# Allegro board A733_PRO3_AXP318_LPDDR5_FBGA315BALL_32X1_V2_0.brd (continued)
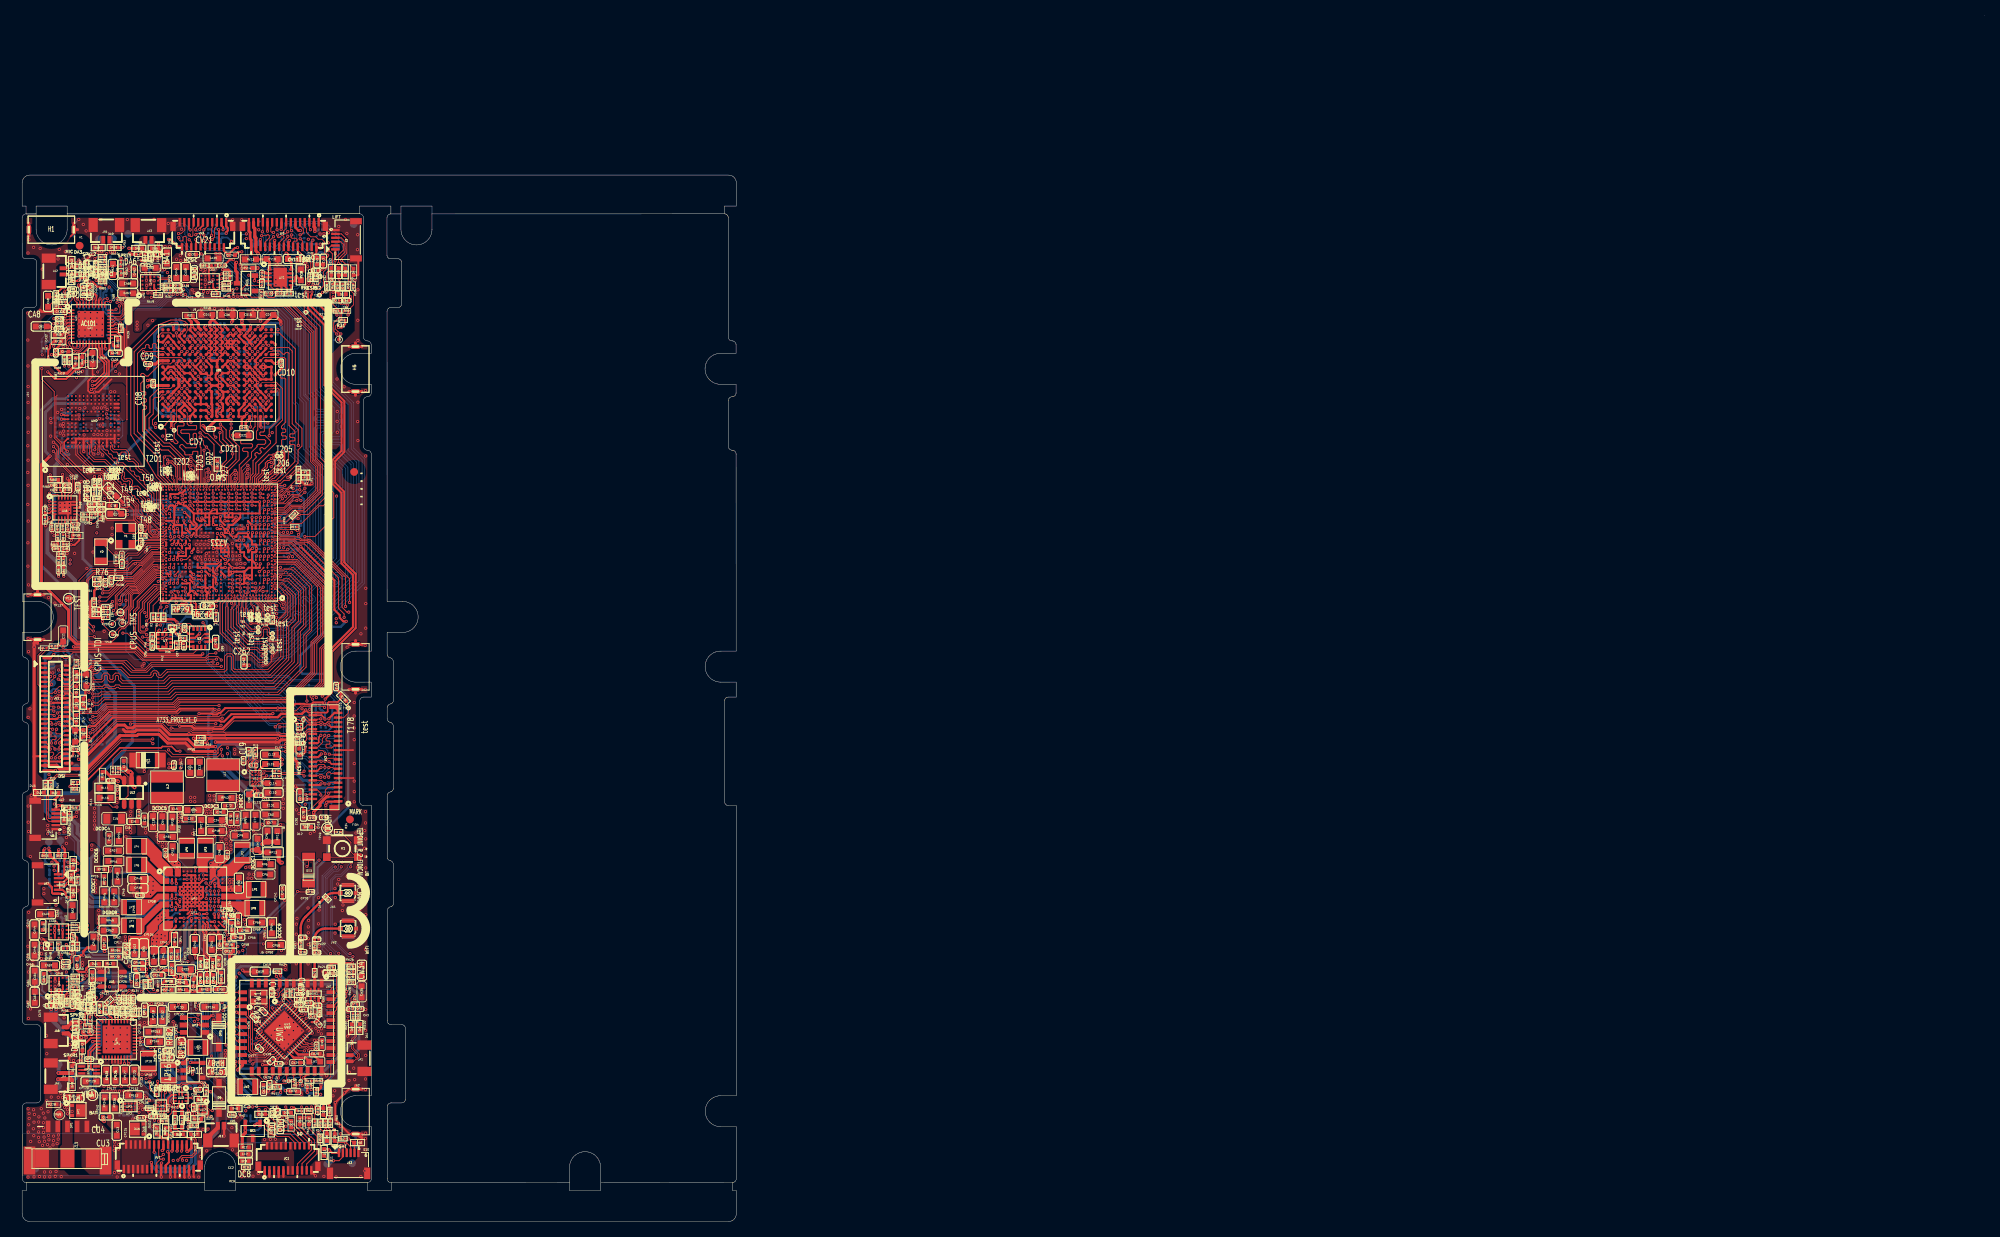
[diagram p0: board, top side]
## Routing (per net, layer and track width the routed paths; a pad name or vN(x,y) marks a point on that pad's centre or on a via; arc(x,y) is an arc through that point) (continued)
SDQ9: length 16.7
  TOP w0.089: 21.28,103.52 21.28,104.3 UD1.E2
  TOP w0.102: 22.97,97.53 U1.AU25
  TOP w0.114: 22.97,97.53 23.06,97.61 23.06,99.83 22.95,99.94 22.95,100.43 22.49,100.9 22.49,101.58 22.38,101.69 22.16,101.69 22.05,101.58 22.05,100.89 21.93,100.78 21.7,100.78 21.59,100.89 21.59,101.58 21.48,101.69 20.58,101.69 20.46,101.81 20.46,102.03 20.58,102.15 22.38,102.15 22.49,102.26 22.49,102.63 22.44,102.68 21.51,102.68 21.28,102.91 21.28,103.52
SDQ10: length 15.2
  TOP w0.089: 19.08,103.49 19.18,103.59 19.18,104.3 UD1.C2
  TOP w0.114: 19.08,103.49 18.52,102.93 18.52,102.83 18.41,102.72 17.82,102.72 17.7,102.61 17.7,102.38 17.82,102.26 18.41,102.26 18.52,102.15 v1(18.52,100.96) ; U1.1AE18 22.74,93.35 v1(22.62,93.47)
  L4 w0.114: v1(22.62,93.47) 22.25,93.84 22.25,94.17 21.1,95.31 21.1,95.58 20.24,96.44 20.24,99.29 18.57,100.96 v1(18.52,100.96)
SDQ11: length 17.8
  TOP w0.076: U1.AT25 22.97,94.46 22.74,94.7 22.74,95.08
  TOP w0.102: 22.69,98.48 22.76,98.41 22.76,95.11 22.74,95.08
  TOP w0.114: UD1.D1 20.23,103.21 20.34,103.1 20.76,103.1 20.88,102.98 20.88,102.76 20.76,102.64 20.11,102.64 20.02,102.55 20.02,101.61 21.26,100.36 22.37,100.36 22.48,100.26 22.48,99.91 22.39,99.82 21.09,99.82 20.66,100.25 20.5,100.25 20.32,100.06 20.32,99.91 20.97,99.26 20.97,99.03 21.08,98.91 21.61,98.91 21.62,98.92 21.89,98.92 21.99,99.02 21.99,99.29 22.08,99.37 22.58,99.37 22.65,99.31 22.65,98.52 22.69,98.48
SDQ12: length 22.3
  TOP w0.114: UD1.F5 21.63,107.09 v1(21.26,107.45) ; U1.1AE20 21.74,93.35 v1(21.63,93.47)
  L4 w0.114: v1(21.26,107.45) 21.26,107.48 20.71,107.81 19.88,108.11 18.41,108.11 17.89,107.59 17.45,107.59 16.75,106.89 16.75,100.88 18.16,99.47 18.55,99.47 19.37,98.65 19.37,95.48 19.92,94.94 20.42,94.94 21.29,94.06 21.29,93.8 v1(21.63,93.47)
SDQ13: length 16.7
  TOP w0.076: 21.08,95.66 21.08,95.27 21.37,94.97 U1.AT29
  TOP w0.102: 21.08,98.37 21.08,95.66
  TOP w0.114: 21.08,98.37 19.01,100.44 18.31,100.44 16.36,102.39 16.36,103.65 16.9,104.19 16.9,106.09 17.14,106.33 17.71,106.33 18.04,106.66 18.44,106.66 UD1.B5
SDQ14: length 22.1
  TOP w0.114: v1(22.63,92.43) 22.71,92.35 U1.1AC18
  TOP w0.127: UD1.E6 20.57,107.49 20.57,107.47 v1(20.57,107.46)
  L4 w0.114: v1(22.63,92.43) 22.63,92.45 22,93.07 22,94.1 20.64,95.46 20.2,95.46 19.93,95.73 19.93,99.15 18.89,100.2 18.62,100.2 17.65,101.17 17.65,103.08 17.2,103.52 17.2,106.89 17.57,107.26 18.08,107.26 18.59,107.78 19.99,107.78 20.31,107.46 v1(20.57,107.46)
SDQ15: length 18.1
  TOP w0.102: 20.88,97.76 20.88,95.01 20.97,94.91 U1.AU30
  TOP w0.114: 20.88,97.76 20.88,98.17 19.03,100.01 18.14,100.01 15.93,102.23 15.93,103.85 16.48,104.4 16.48,106.35 17.6,107.47 19.15,107.47 UD1.C6
SDQ16: length 15.9
  TOP w0.114: v1(27.63,93.47) 27.74,93.35 U1.1AE8
  TOP w0.127: v1(29.69,107.46) 29.69,107.5 UD1.U6
  L4 w0.076: v1(27.63,93.47) 28,93.84 28,95.11 28.05,95.16
  L4 w0.114: 28.05,95.16 28.17,95.28 28.17,102.24 28.45,102.52 28.45,104.68 29.3,105.54 29.3,107.08 v1(29.69,107.46)
SDQ17: length 14.3
  TOP w0.114: UD1.V1 30.03,102.57 29.78,102.32 29.78,100.95 29.66,100.82 28.3,100.82 28.17,100.69 28.17,100.45 28.28,100.35 29.6,100.35 29.71,100.23 29.71,100 29.53,99.82 28.55,99.82 28.42,99.69 28.42,99.47 28.54,99.36 29.01,99.36 29.12,99.25 29.12,98.74 27.99,97.61 27.99,95.44 27.77,95.23 U1.AU13
SDQ18: length 13.7
  TOP w0.089: 30.38,103.36 30.38,105.1 UD1.V3
  TOP w0.114: 30.38,103.36 30.38,103.14 30.38,102.82 30.38,102.13 30.2,101.95 30.2,101.02 30.35,100.87 31.26,100.87 31.4,100.73 31.4,100.44 31.23,100.27 30.41,100.27 30.28,100.14 30.28,99.96 29.58,99.26 29.58,98.58 28.23,97.23 28.23,94.85 U1.AU12
SDQ19: length 15.4
  TOP w0.114: U1.1AF8 27.75,93.85 v1(27.63,93.98)
  TOP w0.127: UD1.T5 28.95,107.37 28.95,107.42 v1(28.97,107.45)
  L4 w0.114: v1(28.97,107.45) 28.97,106.89 28.44,106.36 28.44,105.33 28.1,104.99 28.1,102.83 27.58,102.31 27.58,97.4 27.86,97.12 27.86,95.28 27.63,95.04 v1(27.63,93.98)
SDQ20: length 13.7
  TOP w0.089: UD1.W2 31.08,104.31 31.08,103.5
  TOP w0.114: 31.08,103.5 31.23,103.36 31.23,101.98 31.11,101.87 30.76,101.87 30.64,101.75 30.64,101.52 30.76,101.41 31.32,101.41 32.02,100.7 32.02,100.43 31.3,99.7 31.14,99.7 30.98,99.85 30.82,99.85 30.66,99.69 30.66,99.53 30.81,99.38 30.81,99.22 30.65,99.06 30.49,99.06 30.34,99.21 30.18,99.21 30.01,99.05 30.01,98.88 30.17,98.73 30.17,98.57 29.77,98.17 29.77,96.49 29.45,96.18 29.45,95.73 29.37,95.65 U1.AU9
SDQ21: length 14.2
  TOP w0.089: UD1.U2 29.68,104.3 29.68,103.59
  TOP w0.114: U1.1AB8 27.71,91.85 v1(27.63,91.93) ; 29.68,103.59 29.68,103.45 29.44,103.21 v1(29.44,102.52)
  L4 w0.076: v1(27.63,91.93) 27.63,91.95 28.31,92.63 28.31,94.85 28.7,95.25 28.7,95.47
  L4 w0.114: 28.7,95.47 28.7,97.87 29.03,98.19 29.03,101.62 29.44,102.04 v1(29.44,102.52)
SDQ22: length 18.3
  TOP w0.076: 32.3,108.27 30.96,108.27 30.73,108.05 UD1.W6 ; 29.68,95.34 29.62,95.28 29.62,94.64 U1.AT9
  TOP w0.114: 32.3,108.27 32.76,108.27 33.56,107.47 33.56,103.4 32.74,102.57 32.74,100.47 30.12,97.85 30.12,96.46 29.68,96.02 29.68,95.34
SDQ23: length 19.5
  TOP w0.076: UD1.Y5 31.43,107.21 31.65,107.42 32.3,107.42
  TOP w0.114: v1(31.86,101.38) 31.86,102.26 33.12,103.53 33.12,107.34 32.95,107.51 32.39,107.51 32.3,107.42 ; v1(28.64,92.44) 28.64,92.44 28.72,92.35 U1.1AC6
  L4 w0.076: 29.63,95.12 29.1,94.6 29.1,92.93 28.64,92.46 v1(28.64,92.44)
  L4 w0.114: v1(31.86,101.38) 30.96,100.49 30.96,96.2 30.64,95.89 30.39,95.89 29.63,95.12
SDQ24: length 29.3
  TOP w0.114: v1(29.63,93.48) 29.76,93.35 U1.1AE4 ; v1(30.37,113.85) 30.36,113.84 30.36,113.79 UD1.V13
  L4 w0.114: v1(30.37,113.85) 30.37,114.15 30.5,114.28 33.12,114.28 35.36,112.04 35.36,100.97 34.73,100.34 34.73,98.4 33.7,97.37 32.74,97.37 32.16,96.8 32.16,95.74 31.09,94.66 30.32,94.66 29.98,94.32 29.98,93.84 v1(29.63,93.48)
SDQ25: length 24.2
  TOP w0.114: U1.1AF4 29.76,93.85 v1(29.63,93.99)
  TOP w0.127: v1(29.69,111.45) 29.7,111.44 29.7,111.43 29.71,111.43 UD1.U10
  L4 w0.114: v1(29.63,93.99) 29.63,94.35 30.26,94.98 30.96,94.98 31.73,95.76 31.73,99.03 32.21,99.51 32.21,100.54 33.49,101.82 33.49,108.28 33.12,108.65 33.12,109.01 33.43,109.32 33.43,110.69 32.98,111.15 32.06,111.15 31.83,111.38 29.76,111.38 v1(29.69,111.45)
SDQ26: length 25.8
  TOP w0.114: v1(28.67,91.92) 28.67,91.9 28.72,91.85 U1.1AB6
  TOP w0.127: v1(28.99,111.46) 28.99,111.49 UD1.T11
  L4 w0.076: 29.36,94.45 29.3,94.38 29.3,92.61 28.67,91.99 v1(28.67,91.92)
  L4 w0.114: 29.36,94.45 30.18,95.27 30.71,95.27 31.33,95.9 31.33,99.25 31.75,99.67 31.75,100.67 33.07,101.99 33.07,107.41 32.97,107.51 32.43,107.51 31.45,108.49 31.45,110.88 31.26,111.07 29.38,111.07 v1(28.99,111.46)
SDQ27: length 30.9
  TOP w0.114: UD1.U14 v1(29.68,114.64) ; v1(29.64,92.43) 29.72,92.35 U1.1AC4
  L4 w0.114: v1(29.64,92.43) 30.21,93 30.21,94.15 30.43,94.36 31.19,94.36 35.15,98.32 35.15,100.22 35.78,100.85 35.78,112.22 33.36,114.64 v1(29.68,114.64)
SDQ28: length 25.3
  TOP w0.114: UD1.Y11 31.82,112.25 32.22,112.25 32.3,112.32 33.2,112.32 33.62,111.9 33.8,111.9 34.02,112.11 34.28,112.11 34.4,111.99 34.4,102.72 35.16,101.95 35.16,101.74 35.05,101.62 34.62,101.62 34.51,101.51 34.51,101.28 34.62,101.17 35.05,101.17 35.16,101.05 35.16,100.82 35.05,100.71 34.62,100.71 34.51,100.6 34.51,100.37 34.62,100.25 35.05,100.25 35.16,100.14 35.16,98.04 32.72,95.6 32.27,95.6 31.69,95.01 31.69,94.72 31.37,94.41 U1.AT4
SDQ29: length 24.8
  TOP w0.114: U1.AU4 31.37,94.97 32.28,95.88 32.48,95.88 34.32,97.71 34.32,99.37 33.43,100.25 33.43,100.79 33.55,100.91 33.94,100.91 34.06,101.02 34.06,101.25 33.94,101.37 33.55,101.37 33.43,101.48 33.43,101.7 33.55,101.81 33.87,101.81 33.98,101.92 33.98,102.15 33.87,102.27 33.55,102.27 33.43,102.38 33.43,102.6 33.98,103.14 33.98,108.69 33.87,108.81 33.4,108.81 33.29,108.92 33.29,109.15 33.4,109.26 33.87,109.26 33.98,109.38 33.98,111.29 33.79,111.48 31.16,111.48 UD1.W10
SDQ30: length 29.6
  TOP w0.114: UD1.V15 30.42,115.44 v1(30.42,115.47) ; v1(30.69,93.47) 30.8,93.35 U1.1AE2
  L4 w0.114: v1(30.69,93.47) 30.87,93.65 31.15,93.65 31.64,94.14 31.84,94.14 36.2,98.5 36.2,112.44 33.16,115.47 v1(30.42,115.47)
SDQ31: length 26.3
  TOP w0.114: UD1.W14 31.15,114.68 33.14,114.68 35.24,112.58 35.24,103.18 36.07,102.34 36.07,100.05 35.57,99.55 35.57,97.87 33.26,95.55 33.06,95.55 32.89,95.38 32.34,95.38 31.92,94.96 31.92,94.54 U1.AT3
SDQM0: length 24.7
  TOP w0.114: U1.AT34 19.06,94.72 19.06,95.14 19.04,95.16 18.99,95.16 18.79,95.35 18.79,95.41 17.85,96.35 17.85,98.94 14.86,101.93 14.86,111.98 15.53,112.65 15.79,112.65 15.91,112.77 15.91,113.02 16.02,113.14 16.25,113.14 16.37,113.02 16.37,112.77 16.48,112.65 16.71,112.65 16.82,112.77 16.82,113.17 16.93,113.29 17.16,113.29 17.28,113.17 17.28,112.77 17.4,112.65 UD1.A12
SDQM1: length 15.8
  TOP w0.114: UD1.A4 17.53,105.65 17.53,104.12 16.81,103.4 16.81,102.85 v1(17.21,102.46) ; v1(21.63,93.99) 21.76,93.85 U1.1AF20
  L4 w0.114: v1(21.63,93.99) 21.63,94.1 20.53,95.2 20.07,95.2 19.67,95.6 19.67,98.86 18.6,99.92 18.3,99.92 17.21,101.02 v1(17.21,102.46)
SDQM2: length 17.4
  TOP w0.114: UD1.AA4 31.8,106.58 31.8,106.63 v1(31.79,106.65) ; v1(27.62,92.45) 27.72,92.35 U1.1AC8
  L4 w0.076: v1(27.62,92.45) 27.62,92.45 28.15,92.98 28.15,94.92 28.44,95.2 28.44,95.48
  L4 w0.114: 28.44,95.48 28.44,98.33 28.59,98.48 28.59,101.78 29.02,102.2 29.02,102.71 29.44,103.14 29.44,104.16 30.4,105.12 30.4,106.02 30.66,106.28 31.42,106.28 v1(31.79,106.65)
SDQM3: length 24.4
  TOP w0.114: U1.1AF2 30.82,93.85 v1(30.69,93.97) ; v1(35.6,100.13) 35.6,102.14 34.82,102.93 34.82,112.17 34.82,112.17 34.82,112.31 34.37,112.75 33.12,112.75 33.1,112.73 32.21,112.73 UD1.AA12
  L4 w0.114: v1(30.69,93.97) 31.2,93.97 35.6,98.37 v1(35.6,100.13)
SDQS0N: length 25.9
  TOP w0.076: 20.06,96.13 20.06,96.11 20.01,96.06 20.01,95.36 20.34,95.03 20.34,94.64 U1.AT31
  TOP w0.127: 20.06,96.13 20.06,97.43 19.35,98.14 18.87,98.14 v1(18.75,98.26) ; v1(19.19,113.05) 19.19,112.99 UD1.C12
  L4 w0.127: v1(19.19,113.05) 18.97,112.83 18.97,112.55 18.82,112.4 18.82,111.7 18.57,111.45 18.57,111.27 18.76,111.09 18.76,110.67 18.4,110.32 18.02,110.32 17.54,110.79 17.36,110.79 17.18,110.61 17.18,110.43 17.62,109.99 17.62,109.54 17.27,109.18 16.85,109.18 16.67,109.37 16.49,109.37 15.79,108.67 15.79,100.62 18.28,98.12 18.61,98.12 v1(18.75,98.26)
SDQS0P: length 26
  TOP w0.076: 19.8,96.13 19.8,96.11 19.85,96.06 19.85,95.3 20.17,94.97 U1.AT32
  TOP w0.127: v1(18.75,97.75) 18.87,97.88 19.24,97.88 19.8,97.32 19.8,96.13 ; v1(18.47,113.06) 18.47,113.07 18.49,113.09 18.49,113.33 18.62,113.45 UD1.B13
  L4 w0.127: v1(18.75,97.75) 18.67,97.83 18.16,97.83 15.5,100.5 15.5,108.79 16.37,109.66 16.79,109.66 16.97,109.48 17.15,109.48 17.33,109.66 17.33,109.87 16.89,110.31 16.89,110.73 17.24,111.08 17.66,111.08 18.14,110.61 18.28,110.61 18.46,110.79 18.46,110.97 18.28,111.15 18.28,111.57 18.52,111.82 18.52,112.52 18.68,112.67 18.68,112.89 18.51,113.06 v1(18.47,113.06)
SDQS1N: length 16.9
  TOP w0.076: v1(21.75,97.56) 21.82,97.48 22.11,97.48 22.27,97.33 22.27,95.84 22.27,95.83 22.27,95.1 22.17,95.01 U1.AU27
  TOP w0.089: UD1.C4 19.29,106.24 19.18,106.11 v1(19.2,105.87)
  L4 w0.127: v1(21.75,97.56) 21.84,97.65 22.15,97.65 22.45,97.95 22.45,99.11 22.06,99.49 22.06,99.8 21.24,100.63 21.24,101.13 20.43,101.94 20.43,102.75 20.1,103.07 19.33,103.07 19.2,103.2 19.2,103.45 19.33,103.58 20.15,103.58 20.43,103.85 20.43,104.34 20.08,104.69 18.95,104.69 18.82,104.81 18.82,105.5 v1(19.2,105.87)
SDQS1P: length 17
  TOP w0.076: v1(21.75,98.07) 22.42,97.39 22.42,95.78 22.42,95.77 22.42,94.95 22.42,94.95 22.42,94.63 22.2,94.4 U1.AT27
  TOP w0.089: v1(18.48,105.86) UD1.B3
  L4 w0.127: v1(18.48,105.86) 18.53,105.8 18.53,104.69 18.83,104.39 19.95,104.39 20.13,104.21 20.13,103.97 20.03,103.87 19.21,103.87 18.91,103.57 18.91,103.08 19.21,102.78 19.98,102.78 20.13,102.63 20.13,101.82 20.95,101 20.95,100.51 21.77,99.68 21.77,99.37 22.16,98.98 22.16,98.07 22.03,97.94 21.87,97.94 v1(21.75,98.07)
SDQS2N: length 15.2
  TOP w0.076: U1.AT11 28.57,96.53 28.77,96.73
  TOP w0.127: 28.77,96.73 v1(29.1,97.05) ; UD1.W4 31.07,105.92 v1(31.07,105.86)
  L4 w0.127: v1(29.1,97.05) 29.21,96.95 29.39,96.95 29.52,97.07 29.52,101.39 29.99,101.86 29.99,102.62 30.31,102.94 30.31,103.11 29.89,103.53 29.89,103.95 30.24,104.31 30.66,104.31 31.08,103.89 31.26,103.89 31.47,104.1 31.47,105.45 v1(31.07,105.86)
SDQS2P: length 15.3
  TOP w0.076: 28.85,96.42 28.77,96.34 28.77,95.82 28.77,95.82 28.77,94.94 28.74,94.9 28.74,94.7 28.97,94.46 U1.AT10
  TOP w0.127: v1(29.1,96.55) 28.98,96.55 28.85,96.42 ; UD1.Y3 31.43,105.7 31.56,105.83 31.7,105.83 31.74,105.87 v1(31.78,105.87)
  L4 w0.127: v1(29.1,96.55) 29.21,96.65 29.52,96.65 29.81,96.95 29.81,101.27 30.28,101.74 30.28,102.5 30.6,102.82 30.6,103.23 30.18,103.65 30.18,103.83 30.36,104.01 30.54,104.01 30.96,103.6 31.38,103.6 31.76,103.98 31.76,105.85 v1(31.78,105.87)
SDQS3N: length 25.9
  TOP w0.076: U1.AU7 30.17,94.8
  TOP w0.127: UD1.W12 30.73,112.7 v1(31.06,113.04) ; v1(32.12,97.93) 31.79,97.93 31.61,97.75 31.61,97.29 31.16,96.84 31.16,96.44 30.45,95.73 30.45,95.18 30.37,95.1 30.37,95 30.17,94.8
  L4 w0.127: v1(31.06,113.04) 31.2,113.17 31.2,113.5 31.59,113.89 32.91,113.89 34.93,111.87 34.93,101.22 34.3,100.58 34.3,98.57 33.71,97.99 32.18,97.99 v1(32.12,97.93)
SDQS3P: length 25.9
  TOP w0.076: 30.19,95.28 30.19,95.28 30.16,95.25 30.16,95.22 30.14,95.2 30.14,95.13 29.94,94.92 29.94,94.59 30.08,94.41 U1.AT7
  TOP w0.127: UD1.Y13 31.43,113.18 31.56,113.05 v1(31.79,113.05) ; v1(32.12,98.44) 31.87,98.18 31.68,98.18 31.35,97.85 31.35,97.39 30.91,96.95 30.91,96.55 30.19,95.83 30.19,95.28
  L4 w0.127: v1(32.12,98.44) 32.29,98.28 33.59,98.28 34.01,98.69 34.01,100.7 34.64,101.34 34.64,111.75 32.79,113.6 31.71,113.6 31.49,113.38 31.49,113.13 31.57,113.05 v1(31.79,113.05)
SPKL1+: length 35.4
  TOP w0.381: CA95.1 v1(9.96,96.1)
  L3 w0.508: v1(16.59,125.11) 16.56,125.07 16.56,124.94 16.56,124.94 16.56,123.66 16.07,123.18 15.43,123.18 15.01,122.75 15.01,121.86 14.22,121.07 14.22,117.98 14.01,117.78 14.01,114 11.23,111.21 11.23,108.82 10.6,108.19 10.6,107.08 12.54,105.14 12.54,98.68 v1(9.96,96.1)
  BOTTOM w0.305: v1(16.59,125.11) 16.63,125.14 TP21.1
SPKL1-: length 35.4
  TOP w0.381: CA98.1 v1(9.31,96.1)
  L3 w0.508: v1(15.95,125.2) 15.77,125.2 14.36,123.79 14.36,122.12 13.59,121.36 13.59,118.24 13.38,118.02 13.38,114.23 10.57,111.42 10.57,109.09 9.94,108.46 9.94,106.77 11.86,104.84 11.86,99.04 9.31,96.48 v1(9.31,96.1)
  BOTTOM w0.305: TP23.1 15.36,125.78 v1(15.95,125.2)
SPKL2+: length 1.3
  BOTTOM w0.305: TP26.1 11.45,126.53 11.45,125.58
  vias: v1(11.4,125.08) v1(11.91,125.07)
SPKL2-: length 1.4
  BOTTOM w0.305: 10.36,125.55 10.36,126.28 TP28.1
  vias: v1(9.75,125.03) v1(10.26,125.13)
SPKR1+: length 70.5
  TOP w0.305: CA85.1 5.36,83.26 v1(5.37,83.24)
  TOP w0.508: v1(4.68,19.16) JA4.1 6.4,19.16 DA7.2
  L4 w0.381: v1(4.68,19.16) 4.68,24.86 2.5,27.04 v1(2.5,33.91) 2.68,33.91 3.01,34.24 3.01,36.74 2.28,37.46 2.28,73.26 5.46,76.44 5.46,80.79 5.37,80.88 v1(5.37,83.24)
  BOTTOM w0.508: v1(4.68,19.16) 4.71,19.19 TP22.1
SPKR1-: length 71.4
  TOP w0.305: CA88.1 v1(4.7,83.26)
  TOP w0.508: DA8.2 6.3,18.36 JA4.2 v1(4.62,18.36)
  L4 w0.381: v1(4.7,83.26) 4.7,80.87 4.95,80.62 4.95,76.62 1.8,73.46 1.8,35.24 v1(2.5,34.54) 2.22,34.54 2,34.33 2,26.85 4.18,24.67 4.18,18.8 v1(4.62,18.36)
  BOTTOM w0.508: TP24.1 4.66,18.32 v1(4.62,18.36)
SPKR2+: length 7.9
  TOP w0.305: RA52.2 4.4,27.93 4.39,27.93 CA76.1 4.39,27.38 v1(4.38,27.37)
  TOP w0.508: JA6.1 5.76,25.06 6.38,25.68 DA11.2 v1(7.55,25.68)
  BOTTOM w0.508: v1(7.55,25.68) 7.36,25.87 TP25.1 6.47,25.68 5.12,25.68 4.38,26.42 v1(4.38,27.37)
SPKR2-: length 9.6
  TOP w0.305: v1(3.74,27.37) 3.75,27.38 CA75.1 3.75,28.43 3.75,28.44 RA56.2
  TOP w0.508: v1(7.64,23.73) DA12.2 6.47,23.73 5.94,24.26 JA6.2
  BOTTOM w0.508: v1(3.74,27.37) 3.74,26.07 6.16,23.66 TP27.1 7.57,23.66 v1(7.64,23.73)
SPOLN: length 34.4
  TOP w0.102: v1(6.09,113.36) 6.09,113.09 6.17,113.01 6.17,112.99 6.55,112.61 7.26,112.61 7.46,112.82 UA1.12
  TOP w0.114: CA70.2 20.45,120.62 20.6,120.62 v1(20.79,120.82)
  BOTTOM w0.114: CA47.2 24.61,119.26 21.92,119.26 21.62,119.57 21.62,119.99 v1(20.79,120.82) 20.44,120.46 18.66,120.46 17.07,118.87 14.1,118.87 9.74,123.23 8.02,123.23 6.15,121.36 6.15,113.5 6.13,113.48 6.13,113.4 v1(6.09,113.36)
SPOLP: length 32.9
  TOP w0.102: UA1.11 7.06,112.88 6.99,112.81 6.64,112.81 6.51,112.93 6.51,113.3 v1(6.6,113.38)
  TOP w0.114: CA72.2 20.31,120.31 20.4,120.4 20.6,120.4 v1(20.79,120.21)
  BOTTOM w0.114: CA49.2 25,119.05 21.83,119.05 21.4,119.48 21.4,119.9 21.09,120.21 v1(20.79,120.21) 20.76,120.25 18.75,120.25 17.16,118.65 14.01,118.65 9.65,123.01 8.11,123.01 6.37,121.27 6.37,113.65 6.6,113.42 v1(6.6,113.38)
SPORN: length 100.9
  TOP w0.102: v1(5,32.87) 5.02,32.88 CA48.2 ; v1(5.37,26.81) 5.66,27.1 6.69,27.1 6.94,27.34 6.94,27.58 CA69.2 ; UA1.10 6.08,113.98 5.74,113.64 5.74,112.94 v1(5.81,112.86)
  L3 w0.102: v1(5.37,26.81) 5.19,26.98 5.1,26.98 4.77,27.32 4.77,27.66 3.53,28.9 3.53,31.23 3.94,31.64 4.75,31.64 5.01,31.91 5.01,32.66 5,32.67 v1(5,32.87) 4.86,33.01 4.86,33.02 4.39,33.49 4.39,36.85 4.49,36.95 4.49,36.95 4.54,37.01 4.54,38.26 4.8,38.52 4.8,38.53 4.82,38.56 4.82,40.98 4.7,41.1 4.7,46.39 3.85,47.24 3.85,48.34 2.69,49.5 2.69,72.66 6.03,76 6.03,83.7 5.35,84.38 5.35,85 5.56,85.2 6.05,85.2 v1(6.2,85.36)
  L4 w0.102: v1(5.81,112.86) 5.65,112.71 5.65,112.37 6.92,111.11 6.92,110.1 2.29,105.47 2.29,89.11 3.26,88.14 3.95,88.14 4.49,87.59 4.49,86.38 5.62,85.25 6.1,85.25 v1(6.2,85.36)
SPORP: length 101.2
  TOP w0.102: CA50.2 5.13,33.49 v1(5.01,33.38) ; UA1.9 5.98,114.38 5.78,114.18 5.78,113.97 5.53,113.72 5.53,113.22 5.29,112.98 v1(5.29,112.86) ; CA71.2 6.73,27.58 6.73,27.43 6.61,27.3 5.4,27.3 v1(5.35,27.35)
  L3 w0.102: v1(5.35,27.35) 5.19,27.19 4.97,27.4 4.97,27.75 3.74,28.98 3.74,31.15 4.02,31.43 4.83,31.43 5.22,31.82 5.22,32.54 5.39,32.71 5.39,33.16 5.17,33.38 v1(5.01,33.38) 4.79,33.38 4.59,33.57 4.59,36.77 4.63,36.81 4.63,36.81 4.74,36.92 4.74,38.18 5,38.44 5,38.44 5.03,38.47 5.03,41.06 4.9,41.19 4.9,46.48 4.05,47.32 4.05,48.42 2.9,49.58 2.9,72.58 6.24,75.92 6.24,83.78 5.56,84.46 5.56,84.91 5.64,85 6.03,85 v1(6.18,84.85)
  L4 w0.102: v1(6.18,84.85) 6.17,84.85 6.17,84.85 6.17,84.89 6.01,85.05 5.54,85.05 4.29,86.3 4.29,87.51 3.86,87.94 3.18,87.94 2.09,89.02 2.09,105.56 6.71,110.18 6.71,111.03 5.45,112.29 5.45,112.71 v1(5.29,112.86)
SRST: length 13.8
  TOP w0.114: U1.1AC12 25.73,92.35 25.65,92.42 25.63,92.42 v1(25.62,92.44) ; UD1.H1 22.97,103.79 22.97,102.35 23.66,101.66 23.93,101.66 25.63,99.96 v1(25.63,99.3)
  L4 w0.114: v1(25.62,92.44) 25.62,92.46 24.96,93.11 24.96,94.11 24.95,94.12 24.95,95.49 25.61,96.14 25.61,99.28 v1(25.63,99.3)
SWOUT1: length 51.1
  TOP w0.203: v1(8.73,63.91) 8.62,63.91 8.58,63.87 8.52,63.87 8.39,63.74 8.39,62.74 8.55,62.58
  TOP w0.254: v1(24.86,66.06) 24.85,66.08 24.76,66.08 24.67,66.17 20.29,66.17 19.91,65.78 11.25,65.78 9.37,63.91 v1(8.73,63.91) ; JL1.43 3.25,59.43 3.33,59.35 4.96,59.35 5.35,59.73 JL1.42 6.06,59.73 6.59,60.26 CL19.1 6.59,61.66 CL20.2 7.25,61.91 DL7.2 8.55,62.58 v1(8.55,62.57)
  BOTTOM w0.254: v1(8.73,63.91) 8.41,63.91 7.71,64.6 7.71,64.72 RL43.1 7.05,65.39 RL21.1
  BOTTOM w0.305: v1(8.55,62.57) 7.87,62.57 7.64,62.8 RL20.1 7.24,63.55 RL19.1 ; v1(33.32,51.22) 32.67,51.22 23.98,59.91 23.98,61.14 24.42,61.57 24.42,62.47 24.01,62.88 24.01,65.22 v1(24.86,66.06)
SWOUT2: length 250.2
  TOP w0.254: v1(40.77,115.34) 41.21,115.34 41.65,115.78 R31.1 ; UU2.C1 22.24,14.87 CU6.2 21.74,14.96 v1(21.68,14.9) ; UU3.1 20.64,17.08 v1(20.66,17.09) ; RU15.2 v1(17.58,12.94)
  TOP w0.305: CU5.2 22.44,16.76 v1(22.3,16.62) ; v1(21.4,12.75) 21.4,12.75 RU14.2
  TOP w0.406: QC1.2 v1(28.77,11.78) 28.77,11.43 28.38,11.04 RC2.1
  TOP w0.508: RP13.2 33.07,46.57 33.33,46.3 v1(33.5,46.3)
  L3 w0.254: v1(8.26,110.17) 8.5,110.4 8.5,110.44 9.23,111.16 9.23,112.01 11.36,114.15 11.36,117.67 11.81,118.11 11.81,119.3 12.81,120.31 12.81,123.14 13.39,123.72 v1(13.39,124.08) ; v1(29.22,122.1) 29.22,121.18 30.96,119.44 33.92,119.44 37.9,115.45 37.9,97.64 35.34,95.08 35.34,93.67 35.02,93.35 35.02,90.86 35.25,90.63 35.5,90.63 v1(35.58,90.7)
  L3 w0.508: v1(12.05,36.74) 12.05,35.47 13.04,34.49 18.07,34.49 19,33.55 v1(21.37,33.55) 21.82,33.55 22.15,33.21 22.9,33.21 23.1,33.01 29.2,33.01 31.8,35.61 31.8,37.53 32.28,38.02 32.28,42.25 33.5,43.47 v1(33.5,46.3)
  L4 w0.254: v1(13.39,124.08) 14.02,124.08 16.47,126.53 18.16,126.53 18.45,126.24 19.19,126.24 19.43,126.01 25.76,126.01 26.75,125.02 26.75,123.9 28.56,122.1 v1(29.22,122.1) 29.37,121.94 32.94,121.94 33.41,121.47 36.6,121.47 36.61,121.49 39.09,121.49 40.55,120.03 40.55,118.11 40.15,117.72 40.15,115.96 v1(40.77,115.34)
  L4 w0.508: v1(19.37,30.44) 19.37,31.21 19.25,31.33 19.25,31.79 20.95,33.49 21.31,33.49 v1(21.37,33.55)
  BOTTOM w0.254: R30.1 34.92,90.63 TP34.1 35.84,89.71 R32.1 ; R30.1 35.58,90.71 v1(35.58,90.7) ; R30.1 34.47,90.71 R33.1 ; RC5.1 30.73,13.59 CC1.1 30.73,12.11 30.41,11.78 v1(28.77,11.78)
  BOTTOM w0.381: v1(8.26,110.17) 8.34,110.09 8.34,108.85 5.65,106.16 3.94,106.16 2.51,104.73 2.51,84.57 4.87,82.21 5.74,82.21 6.24,81.71 6.24,75.2 5.66,74.62 4.83,74.62 2.96,72.75 2.96,52.94 3.86,52.04 5.5,52.04 6.45,51.09 6.45,49.9 7.24,49.1 7.24,46.98 7.7,46.53 7.7,41.55 8.62,40.62 10.26,40.62 10.39,40.5 10.39,38.41 v1(12.05,36.74)
  BOTTOM w0.508: v1(22.3,16.62) 22.32,16.65 22.32,17.6 21.47,18.45 20.22,18.45 19.29,19.38 19.29,23.75 18.46,24.58 18.46,26.95 19.26,27.75 19.26,28.48 19.28,28.5 19.28,28.54 19.31,28.57 19.31,28.59 19.37,28.65 v1(19.37,30.44)
TEST1: length 0.5
  TOP w0.102: UP1.G3 19.81,42.16 v1(19.81,41.66)
TP-GPIO1: length 43.5
  TOP w0.102: JL1.3 2.66,71.43 2.27,71.82 2.27,72.9 3.02,73.65 3.96,73.65 4.06,73.54 5.51,73.54 5.56,73.59 14.58,73.59 15.61,72.55 23.66,72.55 24.02,72.91 25.21,72.91 25.67,72.45 v1(25.67,72.44)
  TOP w0.114: U1.1J1 31.62,85.71 v1(31.76,85.85)
  L4 w0.102: v1(25.67,72.44) 25.88,72.44 27.24,73.8 27.24,79.22 28.74,80.72 28.74,83.34 29.76,84.37 30.69,84.37 31.19,84.86 31.19,85.27 v1(31.76,85.85)
TP-GPIO2: length 39.6
  TOP w0.102: v1(25.06,72.55) 23.96,72.55 23.76,72.35 15.53,72.35 14.49,73.39 6.56,73.39 5.81,72.64 5.39,72.64 v1(5.13,72.91)
  TOP w0.114: v1(31.26,85.85) 31.12,85.72 U1.1J2
  L4 w0.102: v1(25.06,72.55) 25.28,72.55 25.52,72.8 25.89,72.8 26.96,73.86 26.96,79.25 28.46,80.75 28.46,83.4 29.75,84.7 29.75,84.87 30.12,85.24 30.65,85.24 v1(31.26,85.85)
  BOTTOM w0.102: RL47.2 4.66,72.45 4.79,72.33 RL48.1 5.01,72.53 4.97,72.56 4.97,72.76 v1(5.13,72.91)
TP-INT: length 63.5
  TOP w0.076: U1.N2 32.41,85.44 33.73,85.44 33.76,85.41
  TOP w0.097: v1(4.28,68.28) 4.26,68.29 4.26,68.51 4.79,69.03 6.1,69.03 6.12,69.05